# Altium PCB FMC_ADC_128CH_10B.PcbDoc (part 3 of 14) (continued)
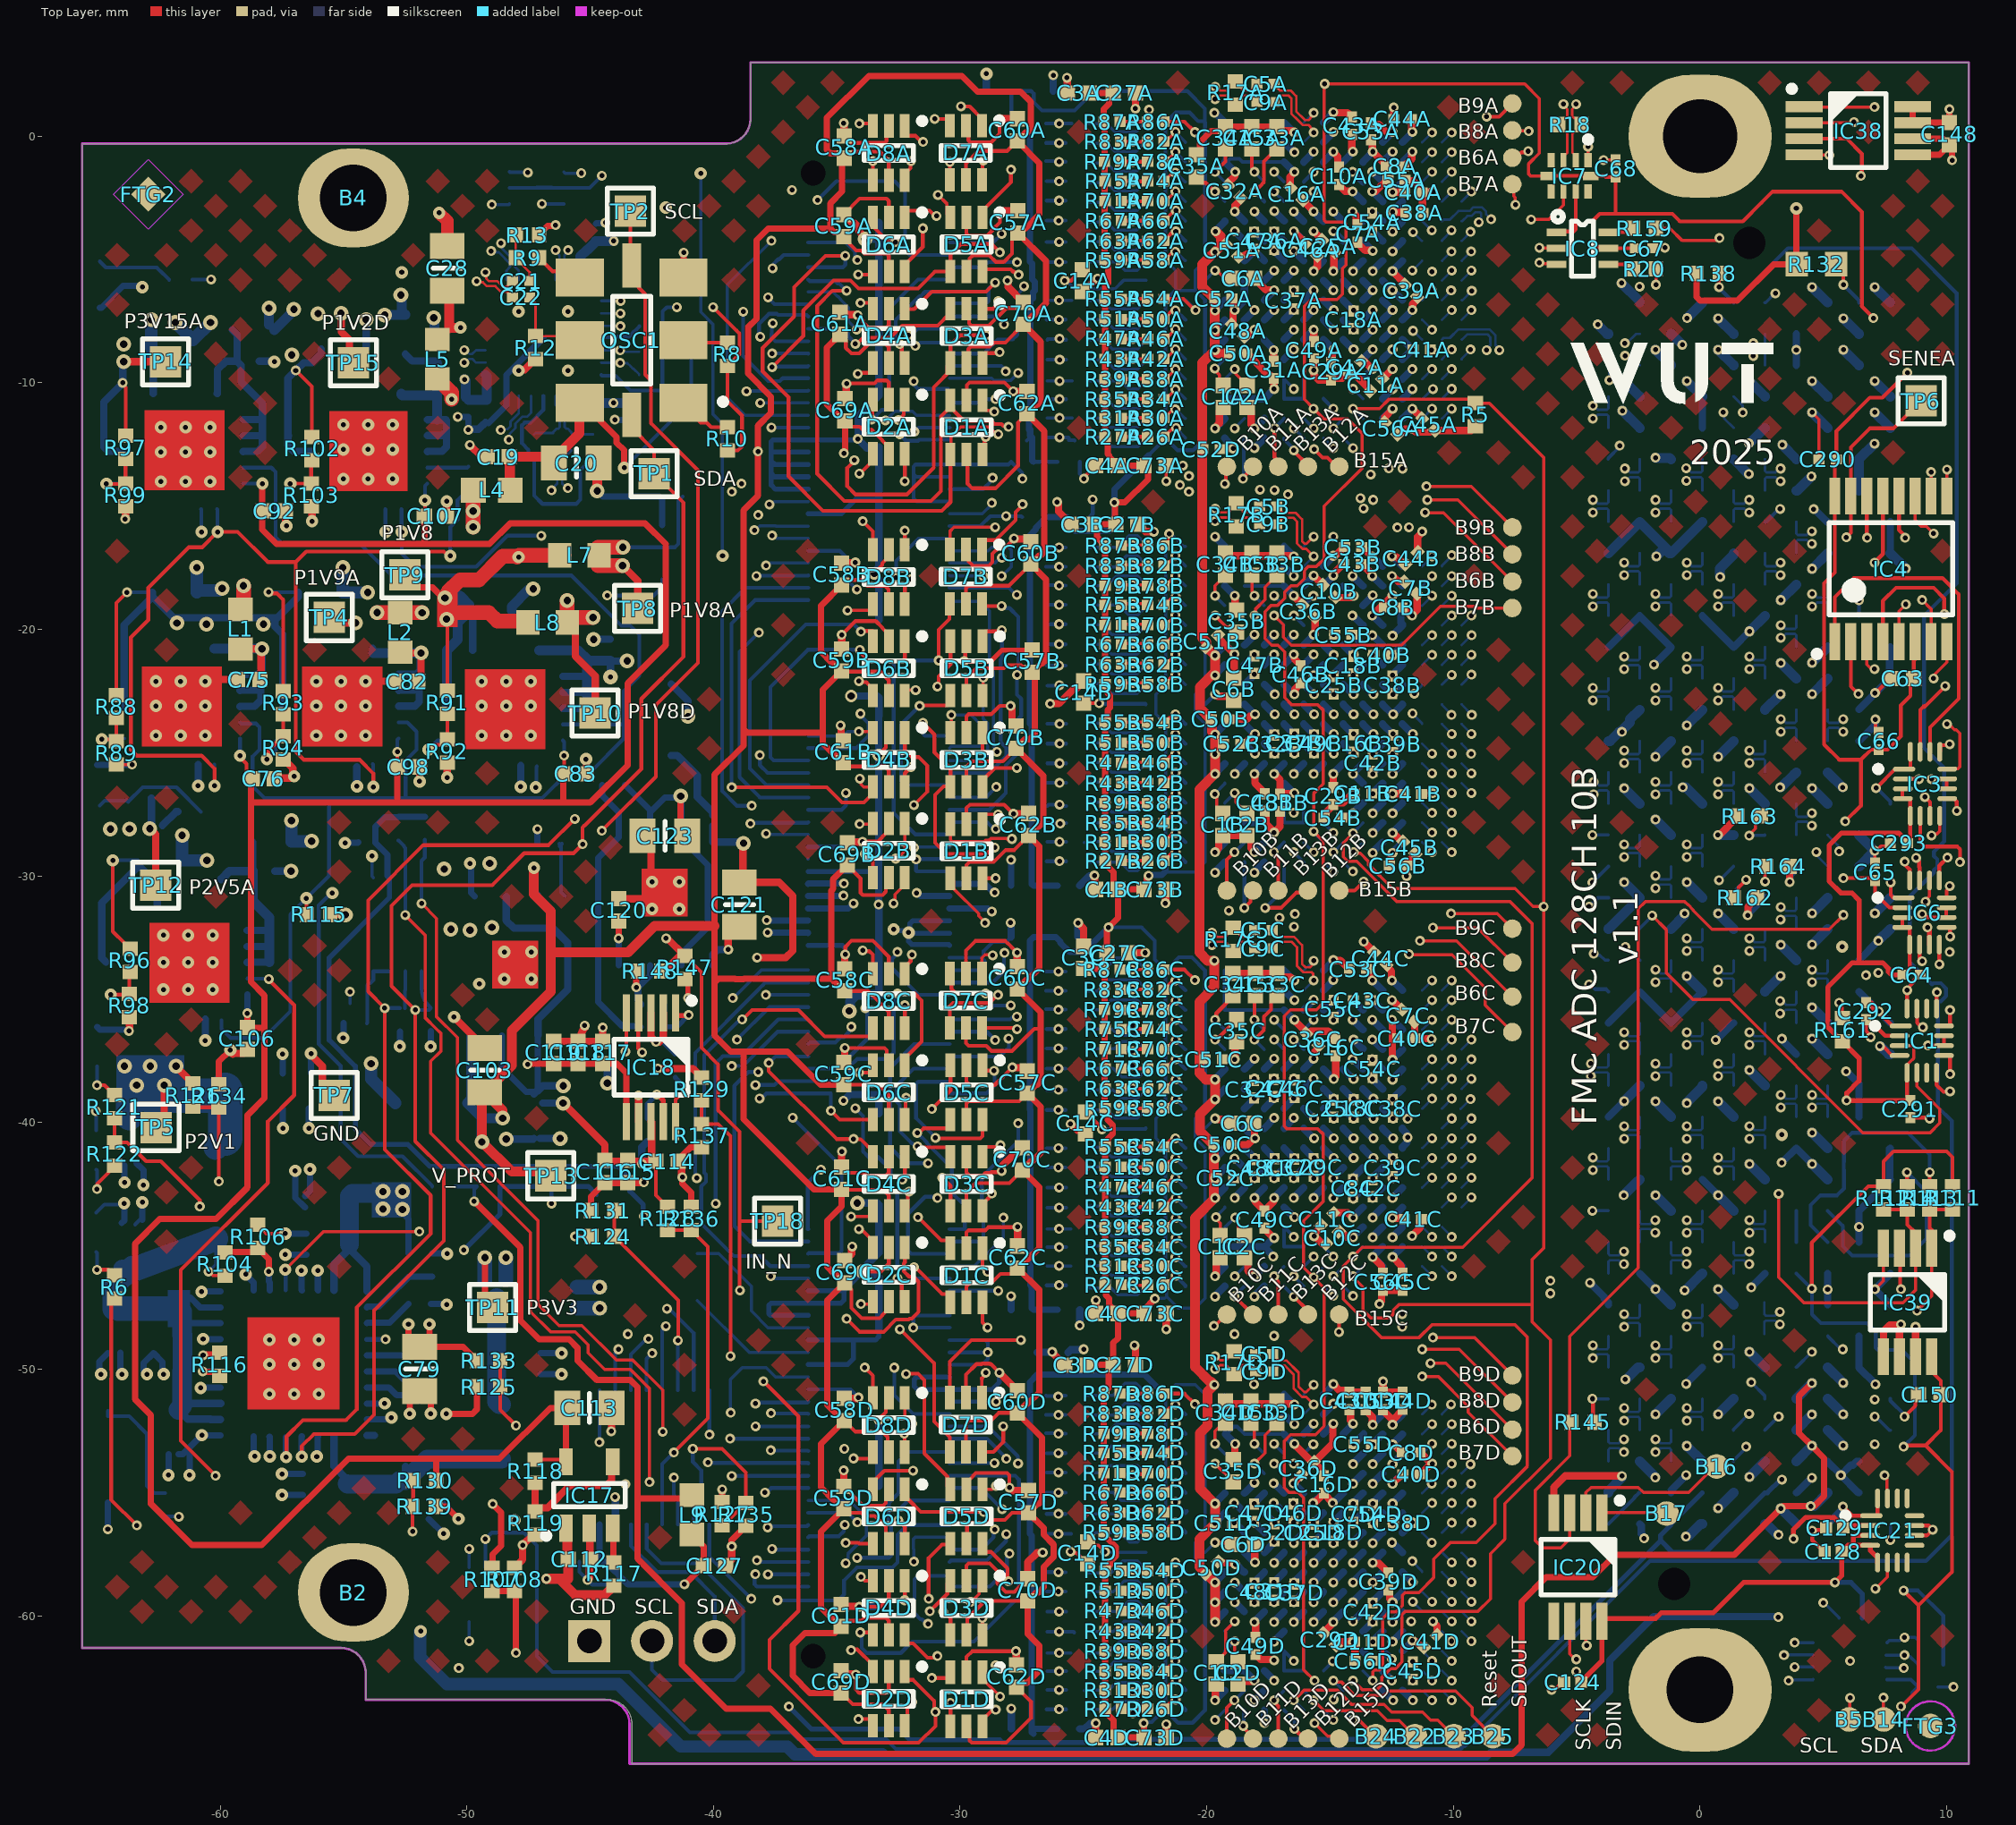
[diagram p0: Top Layer view]
## Part data (continued)
IC4: "3-Line to 8-Line Decoder/Demultiplexer", Case=TSSOP16, Manufacturer="Texas Instruments", Author=GK, Bonding=No, Component Type=Standard, ComponentHeight=1.1mm, CreateDate=09/06/2015, Device=SN74LVC138APW, HelpURL=\\cern.ch\dfs\Applications\Altium\Datasheets\74HC138PW.pdf, LatestRevisionDate=09/06/2015, Manufacturer Part Number=SN74LVC138APW, Mounted=Yes, PackageDescription="SOP, 0.65mm pitch; 16 pin, 4.40mm W X 5.00mm L X 1.10mm H body IPC Medium Density", Part Description="3-Line to 8-Line Decoder/Demultiplexer, Inverting", Part Number=SN74LVC138APW, Pin Count=16, PressFit=No, Sense=No, SMD=Yes, Socket=No
IC5: "2:8 Low Additive Jitter LVDS Buffer", Case=QFN28, Manufacturer="TEXAS INSTRUMENTS", Author="CERN DEM JLC", Bonding=No, Component Type=Standard, ComponentHeight=1mm, CreateDate=28.06.2012, Device=CDCLVD1208RHDT, HelpURL=\\cern.ch\dfs\Applications\Altium\Datasheets\CDCLVD1208RHDT.pdf, LatestRevisionDate=28.06.2012, Manufacturer Part Number=CDCLVD1208RHDT, Mounted=Yes, PackageDescription="QFN, 0.50mm Pitch, Square; 28 pin, 5.00mm L X 5.00mm W X 1.00mm H body (w/Thermal Tab 3.25 X 3.25mm), IPC Medium Density", Part Description="2:8 Low Additive Jitter LVDS Buffer", Part Number=CDCLVD1208RHDT, Pin Count=29, PressFit=No, Sense=No, SMD=Yes, Socket=No
IC7: "1.8V High-Speed Differential Line Receiver", Case=QFN10, Manufacturer="TEXAS INSTRUMENTS", Author="CERN DEM JMW", Bonding=No, Component Type=Standard, ComponentHeight=0.6mm, CreateDate=14.09.2015, Device=SN65LVDS4RSET, HelpURL=\\cern.ch\dfs\Applications\Altium\Datasheets\SN65LVDS4RSET.pdf, LatestRevisionDate=14.09.2015, Manufacturer Part Number=SN65LVDS4RSET, Mounted=Yes, PackageDescription="QFN, TEXAS Case Style RSE (R-PUQFN-N10), 0.50mm Pitch; 10 Pin, 1.50mm W  X 2.00mm L X 0.60mm H body", Part Description="1.8V High-Speed Differential Line Receiver", Part Number=SN65LVDS4RSET, Pin Count=10, PressFit=No, Sense=No, SMD=Yes, Socket=No
IC8: library part 74_NC7SV157P6X, "TinyLogic ULP-A 2-Input Non-Inverting Multiplexer"
IC9 IC11 IC12: "3A, 0.8 to 3.6V Adjustable Low-Dropout Linear Regulator with Programmable Soft-Start", Case=QFN20, Manufacturer="TEXAS INSTRUMENTS", Author="CERN DEM JLC", Bonding=No, Component Type=Standard, ComponentHeight=1mm, CreateDate=07.03.2013, Device=TPS74901RGWT, HelpURL=\\cern.ch\dfs\Applications\Altium\Datasheets\TPS74901RGWT.pdf, LatestRevisionDate=07.03.2013, Manufacturer Part Number=TPS74901RGWT, Mounted=Yes, PackageDescription="QFN, 0.65mm pitch,square; 20 pin, 5mm X 5mm X 1mm H body (w/thermal tab 3.25 X 3.25mm),  IPC Medium Density", Part Description="0.8V to 3.6V, 3.0A Low Dropout Linear Regulator with Programmable Soft-Start", Part Number=TPS74901RGWT, Pin Count=21, PressFit=No, Sense=No, SMD=Yes, Socket=No
IC10: "Quad-Output Power Module with I2C and MTP", Case=QFN32, Manufacturer="MPS (MONOLITIC  POWER SYSTEMS)", Author="CERN DEM BC", Bonding=No, Component Type=Standard, ComponentHeight=2.1mm, CreateDate=09.11.2020, Device=MPM54304GMN, HelpURL=\\cern.ch\dfs\Applications\Altium\Datasheets\MPM54304GMN.pdf, LatestRevisionDate=09.11.2020, Manufacturer Part Number=MPM54304GMN, Mounted=Yes, PackageDescription="MPS LGA-33 Case, 0.65mm Pitch, Rect.; 32 Pin, 7.00mm L X 7.00mm W X 2.10mm H body (w/Thermal Tab 3.55 X 3.55mm)", Part Description="4V to 16V Input, Quad-Output Power Module with I2C and MTP", Part Number=MPM54304GMN, Pin Count=33, PressFit=No, Sense=No, SMD=Yes, Socket=No
IC13 IC19: library part CMP-0063-00622-3, "DDR-I and DDR-II Termination Regulator, 8-pin PSOP, Pb-Free", Manufacturer="Texas Instruments", PackageTopMarking=NSXYTT*LP2998*MR, PowerWise=N, Code_JEDEC=MS-012-AA, ComponentLink1Description="Datasheet URL", ComponentLink1URL=http://www.ti.com/general/docs/lit/getliterature.tsp?genericPartNumber=LP2998&fileType=pdf, CompType=MiscPower, PackageDescription="Molded, PSOP .193 x .154 x .058in, 8 Lead, .050in Pitch", PackageReference=DDA0008D, PinCount=8, RoHS=Y
IC14 IC15 IC16: "1.5A, Dual-Rail Very Low‐Dropout Linear Regulator with Programmable Soft‐Start", Case=QFN20, Manufacturer="ON SEMICONDUCTOR", Author="CERN DEM MR", Bonding=No, Component Type=Standard, ComponentHeight=1mm, CreateDate=23.08.2018, Device=NCP59748MN2ADJTBG, HelpURL=\\cern.ch\dfs\Applications\Altium\Datasheets\NCP59748MN2ADJTBG.pdf, LatestRevisionDate=23.08.2018, Manufacturer Part Number=NCP59748MN2ADJTBG, Mounted=Yes, PackageDescription="QFN, 0.65mm Pitch, Square; 20 Pin, 5.00mm L X 5.00mm W X 1.00mm H body (w/Thermal Tab 3.25 X 3.25mm), IPC Medium Density", Part Description="0.8V to  3.6V, 1.5A, Dual-Rail, Very Low‐Dropout Linear Regulator with Programmable Soft‐Start", Part Number=NCP59748MN2ADJTBG, Pin Count=21, PressFit=No, Sense=No, SMD=Yes, Socket=No
IC17: "100mA, Low Noise, LDO Micropower Adjustable Regulator in SOT-23", Case=SOT23-5, Manufacturer="LINEAR TECHNOLOGY", Manufacturer Part Number=LT1761ES5-SD, Author="CERN DEM JLC", Bonding=No, Component Type=Standard, ComponentHeight=1mm, CreateDate=26.08.2013, Device=LT1761ES5-SD#TRMPBF, HelpURL=\\cern.ch\dfs\Applications\Altium\Datasheets\LT1761ES5-SD#TRMPBF.pdf, LatestRevisionDate=02.06.2022, Mounted=Yes, PackageDescription="SOT23, 0.95mm Pitch; 5 Pin, 1.60mm W X 2.90mm L X 1.00mm H body, IPC Medium Density", Part Description="1.22V to 20V, 100mA, Low Noise, LDO Adjustable Micropower Regulator", Part Number=LT1761ES5-SD#TRMPBF, Pin Count=5, PressFit=No, Sense=No, SMD=Yes, Socket=No
IC18: library part AD5259BRMZ50, "Nonvolatile, I2C-Compatible 256-Position, 5k Digital Potentiometer", Case=MSOP10, Manufacturer="ANALOG DEVICES", Author="CERN DEM MR", Bonding=No, Component Type=Standard, ComponentHeight=1.1mm, CreateDate=10.10.2016, Device=AD5259BRMZ5, HelpURL=\\cern.ch\dfs\Applications\Altium\Datasheets\AD5259BRMZ50.pdf, LatestRevisionDate=10.10.2016, Manufacturer Part Number=AD5259BRMZ5, Mounted=Yes, PackageDescription="SOP, 0.50mm Pitch; 10 Pin, 3.00mm W X 3.00mm L X 1.10mm H body, IPC Medium Density", Part Description="Nonvolatile, I2C-Compatible 256-Position, 5k Digital Potentiometer", Part Number=AD5259BRMZ5, Pin Count=10, PressFit=No, Sense=No, SMD=Yes, Socket=No
IC20: "Remote 4-Bit I2C and SMBus I/O Expander with Configuration Registers", Case=TSSOP8, Manufacturer="TEXAS INSTRUMENTS", Author="CERN DEM HF", Bonding=No, Component Type=Standard, ComponentHeight=1.1mm, CreateDate=20.01.2025, Device=TCA9536DGK, HelpURL=\\cern.ch\dfs\Applications\Altium\Datasheets\TCA9536A.pdf, LatestRevisionDate=20.01.2025, Manufacturer Part Number=TCA9536DGK, Mounted=Yes, PackageDescription="SOP, 0.65mm Pitch; 8 Pin, 3.00mm W X 3.00mm L X 1.10mm H body, IPC Medium Density", Part Description="Remote 4-Bit I2C and SMBus I/O Expander with Configuration Registers", Part Number=TCA9536DGK, Pin Count=8, PressFit=No, Sense=No, SMD=Yes, Socket=No
IC22: library part MAX11617, "12-, 2-Wire Serial 12-Bit ADCs", Manufacturer="Maxim Integrated", Manufacturer Part Number=MAX11617EEE+T
IC38 IC39: "Digital Temperature Sensor and Thermal Watchdog with Two-Wire Interface", Case=SSOP8, Manufacturer="TEXAS INSTRUMENTS", Author="CERN DEM JLC", Component Type=Standard, ComponentHeight=1.09mm, CreateDate=2012-10-15, Device=LM75AIMM/NOPB, HelpURL=\\cern.ch\dfs\Applications\Altium\Datasheets\LM75AIMM-NOPB.pdf, LatestRevisionDate=2012-10-15, Manufacturer Part Number=LM75AIMM/NOPB, Mounted=Yes, PackageDescription="SOP, 0.65mm pitch; 8 pin,3.00mm W X 3.00mm L X 1.09mm H bodyI, PC Medium Density", Part Description="-25° to +100°C ±2°C Digital Temperature Sensor and Thermal Watchdog with Two-Wire Interface", Part Number=LM75AIMM/NOPB, Pin Count=8, SMD=Yes, Socket=No, Table=Sensors
IC55: "Dual Bidirectional I2C Bus And SMBus Voltage-Level Translator", Case=SSOP8, Manufacturer="TEXAS INSTRUMENTS", Author="CERN DEM JLC", Component Type=Standard, ComponentHeight=1.3mm, CreateDate=2013-02-25, Device=PCA9306DCTR, HelpURL=\\cern.ch\dfs\Applications\Altium\Datasheets\PCA9306DCTR.pdf, LatestRevisionDate=2013-02-25, Manufacturer Part Number=PCA9306DCTR, Mounted=Yes, PackageDescription="SOP, 0.65mm, Pitch; 8 Pin, 2.80mm W X 2.95mm L X 1.30mm H Body, PC Medium Density", Part Description="Dual Bidirectional I2C Bus And SMBus Voltage-Level Translator", Part Number=PCA9306DCTR, Pin Count=8, SMD=Yes, Socket=No, Table="Analog & Interface"
J1: library part SAMTEC_QSH-090-01-L-D-A, "Connector 180 Female (3x60) + 3x4 GND", Manufacturer=SAMTEC, Manufacturer Part Number=QSH-090-01-L-D-A, Author="CERN DEM MR", Component Type=Standard, ComponentHeight=3.25mm, CreateDate=08.09.2017, HelpURL=\\cern.ch\dfs\Applications\Altium\Datasheets\SAMTEC_QSH-090-01-L-D-A.pdf, LatestRevisionDate=08.09.2017, Mounted=Yes, Part Description="180 Contacts ((2X30)x3), Pitch 0.5mm, Straight Double Row High Speed Ground Plane Socket", Part Number=SAMTEC_QSH-090-01-L-D-A, Pin Count=192, PressFit=No, Sense=No, SMD=Yes, Socket=No, Status=None
J2: library part MOLEX_90121-0763, "Connector 3 Male", Manufacturer=MOLEX, Manufacturer Part Number=90121-0763, Author="CERN DEM JLC", Component Type=Standard, ComponentHeight=3.6mm, CreateDate=23.04.2018, Family="C-Grid III™", HelpURL=\\cern.ch\dfs\Applications\Altium\Datasheets\MOLEX_90121-0763.pdf, LatestRevisionDate=23.04.2018, Mounted=Yes, Part Description="2.54mm (.100\") Pitch, 3 Circuits  Single Row  Right Angle C-Grid III™ Header", Part Number=MOLEX_90121-0763, Pin Count=3, PressFit=No, Sense=No, SMD=No, Socket=No, Status=None
J6: library part SAMTEC_ASP-134488-01, "Connector VITA 57, 400 Male contacts in 10 row abcdefghj", Manufacturer=SAMTEC, Manufacturer Part Number=ASP-134488-01, Author="CERN DEM JLC", Component Type=Standard, ComponentHeight=6.1mm, CreateDate=30/04/2009, Family="VITA 57", HelpURL=\\cern.ch\dfs\Applications\Altium\Datasheets\SAMTEC_ASP-134488-01.pdf, LatestRevisionDate=17/08/2009, Mounted=Yes, Part Description="400 contacts (10 rows abcdefghj) Surface Mount Male Connector, VITA 57 (MC-HPC-10)", Part Number=SAMTEC_ASP-134488-01, Pin Count=400, SMD=Yes, Socket=No, Status=None, Table=SAMTEC
L1 L2 L7 L8 L9 L10 L11 L12: library part IND0603_MURATA_BLM18PG330SN1D, Case=0603, Manufacturer=MURATA, Manufacturer Part Number=BLM18PG330SN1D, Power=3A, Resistance=0.025R, Tolerance=±25%, Author="CERN DEM JMW", Component Type=Standard, ComponentHeight=0.95mm, CreateDate=19.02.2014, HelpURL=\\cern.ch\dfs\Applications\Altium\Datasheets\IND0603_MURATA_BLM18P.pdf, LatestRevisionDate=25.10.2018, Mounted=Yes, Part Description="SMD EMIFIL Chip Ferrite Bead", Part Number=IND0603_MURATA_BLM18PG330SN1D, Pin Count=2, Sense=No, SMD=Yes, Socket=No
L3: library part IND_1UH_20%_BOURNS_SRP4020TA, "Inductor", Manufacturer=BOURNS, Manufacturer Part Number=SRP4020TA-1R0M, Power=5A, Resistance=0.027R, Tolerance=±20%, Author="CERN DEM BC", Component Type=Standard, ComponentHeight=2mm, CreateDate=02.09.2015, HelpURL=\\cern.ch\dfs\Applications\Altium\Datasheets\IND_BOURNS_SRP4020TA.pdf, LatestRevisionDate=02.09.2015, Mounted=Yes, Part Description="Shielded Power Inductor", Part Number=IND_1UH_20%_BOURNS_SRP4020TA, Pin Count=2, Sense=No, SMD=Yes, Socket=No
L4: library part IND0603_MURATA_BLM18SG121TN1D, "Inductor", Case=0603, Manufacturer=MURATA, Manufacturer Part Number=BLM18SG121TN1D, Power=3A, Resistance=0.025R, Tolerance=±25%, Author="CERN DEM JLC", Component Type=Standard, ComponentHeight=0.65mm, CreateDate=23.07.2014, HelpURL=\\cern.ch\dfs\Applications\Altium\Datasheets\IND0603_MURATA_BLM18S.pdf, LatestRevisionDate=23.07.2014, Mounted=Yes, Part Description="SMD EMIFIL Suppression Chip Ferrite Bead", Part Number=IND0603_MURATA_BLM18SG121TN1D, Pin Count=2, Sense=No, SMD=Yes, Socket=No, Status=None
L5: library part IND0603_MURATA_BLM18PG121SN1D, "Inductor", Case=0603, Manufacturer=MURATA, Manufacturer Part Number=BLM18PG121SN1D, Power=2A, Resistance=0.05R, Author="CERN DEM BC", Component Type=Standard, ComponentHeight=0.95mm, CreateDate=2015-07-27, HelpURL=\\cern.ch\dfs\Applications\Altium\Datasheets\IND0603_MURATA_BLM18P.pdf, LatestRevisionDate=2015-07-27, Mounted=Yes, Part Description="SMD EMIFIL Chip Ferrite Bead", Part Number=IND0603_MURATA_BLM18PG121SN1D, Pin Count=2, Sense=No, SMD=Yes, Socket=No, Status=None
L6: library part IND_1UH_30%_BOURNS_SRN3015, "Inductor", Manufacturer=BOURNS, Manufacturer Part Number=SRN3015-1R0Y, Power=2.35A, Resistance=0.048R, Tolerance=±30%, Author="CERN DEM JLC", Component Type=Standard, ComponentHeight=1.5mm, CreateDate=03.02.2015, HelpURL=\\cern.ch\dfs\Applications\Altium\Datasheets\IND_BOURNS_SRN3015.pdf, LatestRevisionDate=03.02.2015, Mounted=Yes, Part Description="Semi-Shielded SMD Power Inductor", Part Number=IND_1UH_30%_BOURNS_SRN3015, Pin Count=2, Sense=No, SMD=Yes, Socket=No
LD1 LD3 LD4 LD5 LD6: library part LED_KINGBRIGHT_KPA-1606CGCK, "LED Green 1C 2A", Case=0603, Manufacturer=KINGBRIGHT, Manufacturer Part Number=KPA-1606CGCK, Author="CERN DEM MR", Bonding=No, Color=Green, Component Type=Standard, ComponentHeight=1.2mm, CreateDate=18.12.2017, HelpURL=\\cern.ch\dfs\Applications\Altium\Datasheets\LED_KINGBRIGHT_KPA-1606CGCK.pdf, LatestRevisionDate=18.12.2017, Mounted=Yes, PackageDescription="SMT Green LED, Right Angle Mount, Body L 1.6 x W 0.6mm H 1.2mm", Part Description="SMD Green LED, Right Angle Mount, Body L 1.6 x W 0.6mm, 1.2mm Thickness", Part Number=LED_KINGBRIGHT_KPA-1606CGCK, Pin Count=2, PressFit=No, Sense=No, SMD=Yes, Socket=No, Status="Not Recommended"
LD2: library part LED_AVAGO_HSMC-C110, "LED Red 1C 2A", Case=1206, Manufacturer="AVAGO TECHNOLOGIES", Manufacturer Part Number=HSMC-C110, Author="CERN DEM JMW", Bonding=No, Color=Red, Component Type=Standard, ComponentHeight=1.1mm, ComponentLink1Description="Design Guide", ComponentLink1URL=\\cern.ch\dfs\Applications\Altium\Datasheets\LED_AVAGO_HSMC-C110_DESIGN-GUIDE.pdf, CreateDate=30.07.2009, HelpURL=\\cern.ch\dfs\Applications\Altium\Datasheets\LED_AVAGO_HSMC-C110.pdf, LatestRevisionDate=20.06.2012, Mounted=Yes, PackageDescription="Red Chip LED, 2-Leads, Body 3.3x1.6mm, Side Emitting Package", Part Description="High Performance Right Angle Chip Red LED", Part Number=LED_AVAGO_HSMC-C110, Pin Count=2, PressFit=No, Sense=No, SMD=Yes, Socket=No
OSC1: library part OSC_0.2-800MHZ_SILICON-LAB_549BACB001937ABG, "Ultra Low Jitter I2C Programmable Crystal Oscillator (XO), Si549 Series", Manufacturer="SILICON LABS", Manufacturer Part Number=549BACB001937ABG, Author="CERN DEM JMW", Bonding=No, Component Type=Standard, ComponentHeight=1.33mm, CreateDate=27/11/2019, HelpURL=\\cern.ch\dfs\Applications\Altium\Datasheets\OSC_SILICON-LAB_SI549.pdf, LatestRevisionDate=02/12/2019, Mounted=Yes, PackageDescription="Oscillator Si549 Series, 8 pins, 5x7mm", Part Description="0.2-800MHz, 1.8V/2.5V/3.3V ±20ppm LVDS, Ultra Low Jitter I2C Programmable Crystal Oscillator (XO), Si549 Series", Part Number=OSC_0.2-800MHZ_SILICON-LAB_549BACB001937ABG, Pin Count=8, PressFit=No, Sense=No, SMD=Yes, Socket=No
R1 R2 R21 R158 R159 R161 R162 R163 R164: library part R0402_2K2_1%_0.0625W_100PPM, "Resistor - 1%", Case=0402, Manufacturer=GENERIC, Manufacturer1 ComponentHeight=0.4mm, Manufacturer1 Example="YAGEO PHYCOMP", Manufacturer1 Part Number=232270672202L, Power=0.0625W, Tolerance=±1%, Author="CERN DEM JLC", Component Type=Standard, CreateDate=2007-12-03, HelpURL=\\cern.ch\dfs\Applications\Altium\Datasheets\R0402_Phycomp_RC0402.pdf, LatestRevisionDate=2012-10-17, Manufacturer Part Number=R0402_2K2_1%_0.0625W_100PPM, Mounted=Yes, Part Description="General Purpose Thick Film Chip Resistor", Part Number=R0402_2K2_1%_0.0625W_100PPM, Pin Count=2, SMD=Yes, Socket=No, Status="Not recommended", Table="Resistors SMD", TC=±100ppm/°C
R3 R11 R14 R16 R20: library part R0402_49R9_1%_0.0625W_100PPM, "Resistor - 1%", Case=0402, Manufacturer=GENERIC, Manufacturer1 ComponentHeight=0.4mm, Manufacturer1 Example="YAGEO PHYCOMP", Manufacturer1 Part Number="232270674999L or RC0402FR-0749R9L", Power=0.0625W, Tolerance=±1%, Author="CERN DEM JLC", Component Type=Standard, CreateDate=24.10.2012, HelpURL=\\cern.ch\dfs\Applications\Altium\Datasheets\R0402_Phycomp_RC0402.pdf, LatestRevisionDate=24.10.2012, Manufacturer Part Number=R0402_49R9_1%_0.0625W_100PPM, Mounted=Yes, Part Description="General Purpose Thick Film Chip Resistor", Part Number=R0402_49R9_1%_0.0625W_100PPM, Pin Count=2, PressFit=No, Sense=No, SMD=Yes, Socket=No, Status="Not Recommended", TC=±100ppm/°C
R4 R6 R7 R15 R90 R95 R100 R102 R105 R111 R112 R115 R123 R138 R145: library part R0402_10K_1%_0.0625W_100PPM, "Resistor - 1%", Case=0402, Manufacturer=GENERIC, Manufacturer1 ComponentHeight=0.4mm, Manufacturer1 Example="YAGEO PHYCOMP", Manufacturer1 Part Number=232270671003L, Power=0.0625W, Tolerance=±1%, Author="CERN DEM JLC", Component Type=Standard, HelpURL=\\cern.ch\dfs\Applications\Altium\Datasheets\R0402_Phycomp_RC0402.pdf, Manufacturer Part Number=R0402_10K_1%_0.0625W_100PPM, Mounted=Yes, Part Description="General Purpose Thick Film Chip Resistor", Part Number=R0402_10K_1%_0.0625W_100PPM, Pin Count=2, SMD=Yes, Socket=No, TC=±100ppm/°C
  R4 R7 R15 R105 R111 R112 R115 R145: CreateDate=3/12/2007, LatestRevisionDate=17/10/2012, Status="Not recommended", Table="Resistors SMD"
  R6 R90 R95 R100 R102 R123 R138: CreateDate=03.12.2007, LatestRevisionDate=17.10.2012, PressFit=No, Sense=No, Status="Not Recommended"
R5 R23 R25 R120 R121 R122 R126 R139 R140 R143: library part R0402_1K_1%_0.0625W_100PPM, "Resistor - 1%", Case=0402, Manufacturer=GENERIC, Manufacturer1 ComponentHeight=0.4mm, Manufacturer1 Example="YAGEO PHYCOMP", Manufacturer1 Part Number=232270671002L, Power=0.0625W, Tolerance=±1%, Author="CERN DEM JLC", Component Type=Standard, CreateDate=03.12.2007, HelpURL=\\cern.ch\dfs\Applications\Altium\Datasheets\R0402_Phycomp_RC0402.pdf, LatestRevisionDate=17.10.2012, Manufacturer Part Number=R0402_1K_1%_0.0625W_100PPM, Mounted=Yes, Part Description="General Purpose Thick Film Chip Resistor", Part Number=R0402_1K_1%_0.0625W_100PPM, Pin Count=2, PressFit=No, Sense=No, SMD=Yes, Socket=No, Status="Not Recommended", TC=±100ppm/°C
R8 R9 R10 R19 R101 R116 R117 R141 R142 R144 R146 R147 R148: library part R0402_0R_JUMPER, "Resistor", Case=0402, Manufacturer=GENERIC, Manufacturer1 ComponentHeight=0.4mm, Manufacturer1 Example="YAGEO PHYCOMP", Manufacturer1 Part Number=232270591001L, Author="CERN DEM JLC", Component Type=Standard, CreateDate=03.12.2007, HelpURL=\\cern.ch\dfs\Applications\Altium\Datasheets\R0402_Phycomp_RC0402.pdf, LatestRevisionDate=17.10.2012, Manufacturer Part Number=R0402_0R_JUMPER, Mounted=Yes, Part Description="1A (0.05R Max DC Resistance) Zero Ohm Jumper", Part Number=R0402_0R_JUMPER, Pin Count=2, PressFit=No, Sense=No, SMD=Yes, Socket=No, Status="Not Recommended"
R12 R13: library part R0402_200R_1%_0.0625W_100PPM, "Resistor - 1%", Case=0402, Manufacturer=GENERIC, Manufacturer1 ComponentHeight=0.4mm, Manufacturer1 Example="YAGEO PHYCOMP", Manufacturer1 Part Number=232270672001L, Power=0.0625W, Tolerance=±1%, Author="CERN DEM JLC", Component Type=Standard, CreateDate=03.12.2007, HelpURL=\\cern.ch\dfs\Applications\Altium\Datasheets\R0402_Phycomp_RC0402.pdf, LatestRevisionDate=17.10.2012, Manufacturer Part Number=R0402_200R_1%_0.0625W_100PPM, Mounted=Yes, Part Description="General Purpose Thick Film Chip Resistor", Part Number=R0402_200R_1%_0.0625W_100PPM, Pin Count=2, PressFit=No, Sense=No, SMD=Yes, Socket=No, Status="Not Recommended", TC=±100ppm/°C
R17A R17B R17C R17D R18: library part R0402_100R_1%_0.0625W_100PPM, "Resistor - 1%", Case=0402, Manufacturer=GENERIC, Manufacturer1 ComponentHeight=0.4mm, Manufacturer1 Example="YAGEO PHYCOMP", Manufacturer1 Part Number=232270671001L, Power=0.0625W, Tolerance=±1%, Author="CERN DEM JLC", Component Type=Standard, CreateDate=03.12.2007, HelpURL=\\cern.ch\dfs\Applications\Altium\Datasheets\R0402_Phycomp_RC0402.pdf, LatestRevisionDate=17.10.2012, Manufacturer Part Number=R0402_100R_1%_0.0625W_100PPM, Mounted=Yes, Part Description="General Purpose Thick Film Chip Resistor", Part Number=R0402_100R_1%_0.0625W_100PPM, Pin Count=2, PressFit=No, Sense=No, SMD=Yes, Socket=No, Status="Not Recommended", TC=±100ppm/°C
R22A R22B R22C R22D R27A R27B R27C R27D R28A R28B R28C R28D R31A R31B R31C R31D R32A R32B R32C R32D R35A R35B R35C R35D R36A R36B R36C R36D R39A R39B R39C R39D R40A R40B R40C R40D R43A R43B R43C R43D R44A R44B R44C R44D R47A R47B R47C R47D R48A R48B R48C R48D R51A R51B R51C R51D R52A R52B R52C R52D R55A R55B R55C R55D R56A R56B R56C R56D R59A R59B R59C R59D R60A R60B R60C R60D R63A R63B R63C R63D R64A R64B R64C R64D R67A R67B R67C R67D R68A R68B R68C R68D R71A R71B R71C R71D R72A R72B R72C R72D R75A R75B R75C R75D R76A R76B R76C R76D R79A R79B R79C R79D R80A R80B R80C R80D R83A R83B R83C R83D R84A R84B R84C R84D R87A R87B R87C R87D: library part R0201_49R9_1%_0.05W_200PPM, "Resistor - 1%", Case=0201, Manufacturer=GENERIC, Manufacturer1 ComponentHeight=0.27mm, Manufacturer1 Example=VISHAY, Manufacturer1 Part Number=CRCW020149R9FNED, Power=0.05W, Tolerance=±1%, Author="CERN DEM BC", Component Type=Standard, CreateDate=10.01.2020, HelpURL="\\cern.ch\dfs\Applications\Altium\Datasheets\R0201_VISHAY_CRCW e3.pdf", LatestRevisionDate=10.01.2020, Manufacturer Part Number=R0201_49R9_1%_0.05W_200PPM, Mounted=Yes, Part Description="Thick Film Chip Resistor", Part Number=R0201_49R9_1%_0.05W_200PPM, Pin Count=2, PressFit=No, Sense=No, SMD=Yes, Socket=No, Status="Not Recommended", TC=±200ppm/°C
R24A R24B R24C R24D R26A R26B R26C R26D R29A R29B R29C R29D R30A R30B R30C R30D R33A R33B R33C R33D R34A R34B R34C R34D R37A R37B R37C R37D R38A R38B R38C R38D R41A R41B R41C R41D R42A R42B R42C R42D R45A R45B R45C R45D R46A R46B R46C R46D R49A R49B R49C R49D R50A R50B R50C R50D R53A R53B R53C R53D R54A R54B R54C R54D R57A R57B R57C R57D R58A R58B R58C R58D R61A R61B R61C R61D R62A R62B R62C R62D R65A R65B R65C R65D R66A R66B R66C R66D R69A R69B R69C R69D R70A R70B R70C R70D R73A R73B R73C R73D R74A R74B R74C R74D R77A R77B R77C R77D R78A R78B R78C R78D R81A R81B R81C R81D R82A R82B R82C R82D R85A R85B R85C R85D R86A R86B R86C R86D: library part R0201_100R_1%_0.05W_200PPM, "Resistor - 1%", Case=0201, Manufacturer=GENERIC, Manufacturer1 ComponentHeight=0.27mm, Manufacturer1 Example=VISHAY, Manufacturer1 Part Number=CRCW0201100RFNED, Power=0.05W, Tolerance=±1%, Author="CERN DEM JLC", Component Type=Standard, CreateDate=13.11.2014, HelpURL="\\cern.ch\dfs\Applications\Altium\Datasheets\R0201_VISHAY_CRCW e3.pdf", LatestRevisionDate=13.11.2014, Manufacturer Part Number=R0201_100R_1%_0.05W_200PPM, Mounted=Yes, Part Description="Thick Film Chip Resistor", Part Number=R0201_100R_1%_0.05W_200PPM, Pin Count=2, PressFit=No, Sense=No, SMD=Yes, Socket=No, Status="Not Recommended", TC=±200ppm/°C
R88 R93: library part R0402_33K_1%_0.0625W_100PPM, "Resistor - 1%", Case=0402, Manufacturer=GENERIC, Manufacturer1 ComponentHeight=0.4mm, Manufacturer1 Example="YAGEO PHYCOMP", Manufacturer1 Part Number=232270673303L, Power=0.0625W, Tolerance=±1%, Author="CERN DEM JLC", Component Type=Standard, CreateDate=03.12.2007, HelpURL=\\cern.ch\dfs\Applications\Altium\Datasheets\R0402_Phycomp_RC0402.pdf, LatestRevisionDate=17.10.2012, Manufacturer Part Number=R0402_33K_1%_0.0625W_100PPM, Mounted=Yes, Part Description="General Purpose Thick Film Chip Resistor", Part Number=R0402_33K_1%_0.0625W_100PPM, Pin Count=2, PressFit=No, Sense=No, SMD=Yes, Socket=No, Status="Not Recommended", TC=±100ppm/°C